# Altium PCB pcb.PcbDoc (part 2 of 2)
Units mm, origin at the board's own origin, x right, y up, seen from the top; angles counter-clockwise.
Board outline 285.25 x 94.86 mm, 2 copper layers (Component Side, Bottom Layer), stack 1.571 mm thick; 160 components, 104 nets, 876 pads, 83 vias.
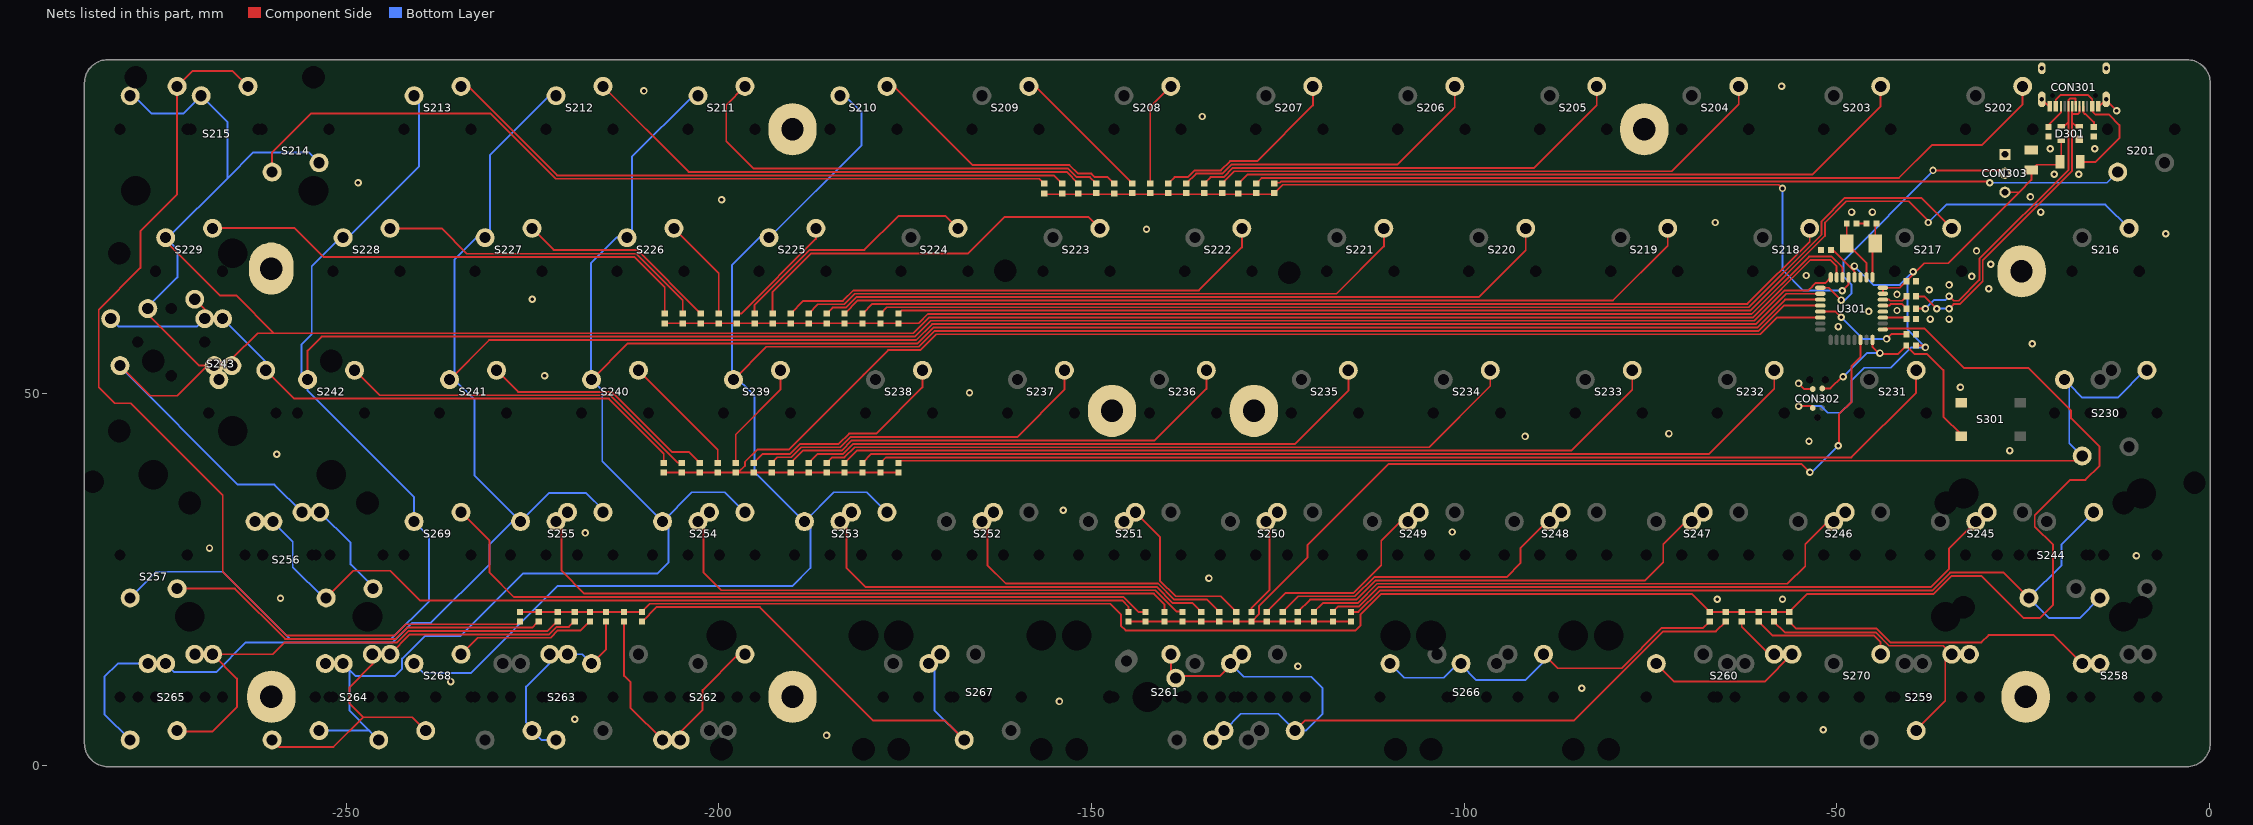
[diagram p2: the nets of this part, all layers, seen from the top]

## Via types
v1: diameter 1, hole 0.5, Component Side to Bottom Layer, tented both sides, 83 vias

## Nets (pads, with @x,y where several pads share a name; then routed paths per layer and width w, separated by ;. In a path a pad name is that pad's centre, name@x,y a point inside that pad or via, vN(x,y) a via of type N, cw(c..) or ccw(c..) an arc to the next point about the centre after c; other vN are vias at no path point) (continued)
col9: S210.2 S225.2 S239.2 S253.2 S268.2 U301.12 | length 299.7
  Component Side w0.254: S239.2@-198.037,51.815 -193.629,56.223 -173.151,56.223 -171.024,58.35 -60.473,58.35 -57.082,61.741 U301.12@-52.206,61.741
  Bottom Layer w0.254: S268.2@-240.9,13.715 -239.631,12.446 -233.299,12.446 -221.615,24.13 -190.119,24.13 -187.706,26.543 -187.706,31.959 S253.2@-188.512,32.765 -184.574,36.703 -180.137,36.703 S253.2@-177.45,34.015 ; S239.2@-198.247,52.675 -195.199,49.627 -195.199,39.37 S253.2@-188.553,32.724 ; S239.2@-198.247,52.929 -198.247,67.183 -194.565,70.865 S225.2@-193.275,70.865 -180.848,83.292 -180.848,87.663 S210.2@-183.1,89.915
col10: S211.2 S226.2 S240.2 S254.2 S264.2 U301.11 | length 327.1
  Component Side w0.254: S240.2@-217.087,51.815 -212.225,56.677 -173.339,56.677 -171.212,58.804 -60.661,58.804 -56.924,62.541 U301.11@-52.206,62.541
  Bottom Layer w0.254: S264.2@-253.65,4.715 -246.887,4.715 ; S264.2@-250.424,13.715 S264.2@-249.555,12.846 ; S264.2@-245.637,3.465 -246.887,4.715 ; S240.2@-217.087,51.815 -215.646,50.374 -215.646,40.849 S254.2@-207.562,32.765 ; S240.2@-216.437,51.815 -217.17,52.548 -217.17,67.437 -213.742,70.865 S226.2@-212.325,70.865 -211.675,70.865 -211.675,81.695 -203.455,89.915 S211.2@-202.8,89.915 ; S254.2@-196.5,34.015 -199.188,36.703 -203.624,36.703 S254.2@-207.562,32.765 ; S264.2@-249.555,12.846 -248.774,12.065 -243.459,12.065 -242.497,13.027 -242.497,14.376 -239.474,17.399 -234.689,17.399 -226.307,25.781 -208.28,25.781 -206.756,27.305 -206.756,31.959 S254.2@-207.562,32.765 ; S264.2@-249.555,12.846 -249.555,7.383 -246.887,4.715
col11: S212.2 S227.2 S241.2 S255.2 S265.2 U301.10 | length 345.8
  Component Side w0.254: S241.2@-236.137,51.815 -230.821,57.131 -173.527,57.131 -171.4,59.258 -60.849,59.258 -56.766,63.341 U301.10@-52.206,63.341
  Bottom Layer w0.254: S265.2@-278.999,3.465 -282.448,6.914 -282.448,11.938 -280.671,13.715 S265.2@-276.618,13.715 ; S265.2@-274.237,13.715 -273.095,12.573 -267.462,12.573 -263.473,16.562 -243.781,16.562 -241.166,19.177 -238.633,19.177 -230.759,27.051 -230.759,29.718 -227.712,32.765 S255.2@-226.612,32.765 ; S212.2@-221.2,89.915 S212.2@-221.85,89.915 -222.759,89.915 -230.725,81.949 -230.725,70.865 S227.2@-231.375,70.865 -232.538,70.865 -235.487,67.916 -235.487,51.815 -232.791,49.119 -232.791,38.944 S255.2@-226.612,32.765 ; S255.2@-215.55,34.015 -215.55,34.321 -217.805,36.576 -222.801,36.576 -226.287,33.09 S255.2@-226.612,32.765
col12: S213.2 S228.2 S242.2 S257.2 S269.2 U301.8 | length 341.9
  Component Side w0.254: S242.2@-255.187,51.815 -255.187,55.709 -253.311,57.585 -173.715,57.585 -171.588,59.712 -61.037,59.712 -56.954,63.795 -53.807,63.795 -53.233,64.369 -53.233,64.39 -52.853,64.77 -51.562,64.77 -50.806,65.526 U301.8@-50.806,65.541
  Bottom Layer w0.254: S257.2@-279,22.515 -275.48,26.035 -266.575,26.035 -257.556,17.016 -243.969,17.016 -238.887,22.098 -238.887,30.752 S269.2@-240.9,32.765 -240.9,36.049 -255.187,50.336 S242.2@-255.187,51.815 -256.032,52.66 -256.032,56.515 -254.635,57.912 -254.635,67.056 -250.826,70.865 S228.2@-250.425,70.865 -249.775,70.865 -240.25,80.39 S213.2@-240.25,89.915
col13: S214.2 S215.2 S229.2 S243.2 S256.2 U301.7 | length 381.5
  Component Side w0.254: S243.2@-280.361,53.695 -276.323,49.657 -272.669,49.657 S243.2@-268.631,53.695 ; S243.2@-276.63,61.345 -276.63,60.603 -269.722,53.695 S243.2@-268.631,53.695 ; S229.2@-274.237,70.865 -273.937,70.565 -273.937,70.102 -272.542,68.707 -272.542,68.688 -266.973,63.119 -264.795,63.119 -259.715,58.039 ; S243.2@-267.844,51.815 S243.2@-267.1,51.815 -266.45,51.815 S243.2@-266.98,52.345 ; S243.2@-267.73,53.695 S243.2@-268.631,53.695 ; S243.2@-265.349,53.695 -265.349,54.583 -261.893,58.039 -259.715,58.039 ; U301.7@-50.006,65.541 -50.006,67.017 -50.861,67.872 -53.519,67.872 -61.225,60.166 -171.777,60.166 -173.904,58.039 -259.715,58.039
  Bottom Layer w0.254: S243.2@-280.361,53.695 -280.361,53.539 -264.541,37.719 -259.634,37.719 S256.2@-255.93,34.015 ; S215.2@-279,89.915 -278.51,89.915 -276.098,87.503 -271.887,87.503 S215.2@-269.475,89.915 -265.936,86.376 -265.936,78.867 ; S243.2@-276.63,61.345 -276.63,61.571 -272.669,65.532 -272.669,69.297 S229.2@-274.237,70.865 ; S229.2@-273.937,70.865 -265.936,78.867 ; S243.2@-266.641,52.015 -266.484,52.038 -266.441,52.045 S243.2@-266.437,52.045 ; S243.2@-266.45,51.562 -266.703,51.562 S243.2@-266.45,51.815 ; S214.2@-253.65,80.915 -255.031,82.296 -262.507,82.296 -265.936,78.867 ; S256.2@-253.549,34.015 -249.428,29.894 -249.428,27.017 -246.405,23.994 S256.2@-246.405,23.765
D_N: CON301.A7 CON301.B7 D301.2 R310.2 | length 42.9
  Component Side w0.254: R310.2@-39.34,62.992 -38.227,62.992 v1(-36.576,61.341) v1@-36.449,61.214 ; v1(-34.925,61.341) -34.328,61.938 -33.466,61.938 -30.404,65 -30.404,67.818 -18.432,79.789 -18.432,86.36 ; CON301.A7@-18.411,88.5 -18.411,87.648 -18.432,87.627 -18.432,86.377 -17.841,85.786 D301.2@-17.469,85.786 ; -18.388,87.448 -17.626,87.448 -17.434,87.64 -17.434,88.477 CON301.B7@-17.411,88.5
  Bottom Layer w0.254: v1(-36.576,61.341) v1(-34.925,61.341)
D_P: CON301.A6 CON301.B6 D301.3 R309.2 | length 43
  Component Side w0.254: R309.2@-39.34,61.341 v1(-38.1,61.341) ; v1(-34.925,62.992) -34.328,62.395 -33.655,62.395 -30.861,65.189 -30.861,68.007 -18.89,79.979 -18.89,86.36 ; D301.3@-19.869,85.786 -19.497,85.786 -18.89,86.393 -18.89,87.627 -18.911,87.648 CON301.B6@-18.911,88.5 -18.888,88.5 -18.888,89.36 -18.696,89.552 -17.934,89.552 -17.934,88.693 -17.931,88.689 -17.931,88.5 CON301.A6@-17.911,88.5
  Bottom Layer w0.254: v1(-38.1,61.341) -36.957,62.484 -35.433,62.484 v1(-34.925,62.992)
D_PRE_N: R310.1 U301.30 | length 3.5
  Component Side w0.254: U301.30@-43.806,62.541 -42.979,62.541 -42.833,62.395 -41.237,62.395 R310.1@-40.64,62.992
D_PRE_P: R309.1 U301.29 | length 3.5
  Component Side w0.254: U301.29@-43.806,61.741 -42.979,61.741 -42.782,61.938 -41.237,61.938 R309.1@-40.64,61.341
GND: "pad.5 degree" C301.1 C307.1 C309.1 C310.1 C311.1 C312.1 CON301.A1B12 CON301.B1A12 CON301.S1 CON302.6 CON303.1 D301.1 pad.CHECK@-25.2,66.365 pad.CHECK@-147.25,47.615 pad.POKER@-190.119,9.271 pad.POKER@-260.05,9.271 pad.POKER@-260.05,66.715 pad.TADA R301.2 R304.2 R305.2 S301.1 U301.3 U301.28 | length 8.9
  Component Side w0.254: v1(-55.118,51.308) -54.356,50.546 CON302.6@-53.213,50.546 ; C312.1@-47.356,72.771 C311.1@-45.974,72.771 ; CON301.S1@-22.678,93.398 CON301.S1@-22.481,93.595 ; CON301.S1@-22.481,89.415 -21.566,88.5 CON301.B1A12@-21.411,88.5 ; CON301.A1B12@-14.911,88.5 -14.756,88.5 CON301.S1@-13.841,89.415 -13.841,89.279 v1(-12.446,87.884)
  other v1: -185.547,4.064 -51.816,4.826 -219.329,6.223 -154.305,8.636 -84.201,10.414 -235.966,11.303 -122.301,13.335 -66.04,22.352 -57.277,22.352 -258.826,22.479 -134.239,25.146 -9.779,28.194 -268.351,29.21 -217.932,31.242 -101.6,31.369 -153.797,34.29 -259.334,41.783 -26.797,42.291 -53.721,43.561 -91.821,44.196 -72.517,44.577 -166.37,50.038 -33.401,50.8 -223.393,52.324 -23.749,56.642 -49.784,58.928 -37.465,59.944 -34.925,59.944 -45.72,60.96 -41.91,61.087 -225.044,62.611 -41.91,63.246 -37.592,63.881 -29.591,64.008 -34.925,64.516 -31.877,65.659 -54.102,65.786 -29.337,67.31 -31.242,69.088 -5.842,71.374 -142.621,72.009 -66.294,72.898 -48.006,74.295 -45.212,74.295 -22.606,74.295 -199.644,75.946 -24.003,76.327 -248.412,78.232 -20.828,79.375 -17.526,79.375 -21.336,82.804 -15.367,82.804 -135.128,87.122 -210.058,90.551 -57.404,91.186
NetC301_2: C301.2 U301.27 | length 3.2
  Component Side w0.254: U301.27@-43.806,60.141 -40.852,60.141 C301.2@-40.655,59.944
NetC311_2: C311.2 U301.1 X301.1 | length 7.5
  Component Side w0.254: U301.1@-45.206,65.541 -45.206,69.734 X301.1@-44.836,70.104 -44.836,72.609 C311.2@-44.674,72.771
NetC312_2: C312.2 U301.2 X301.2 | length 8.3
  Component Side w0.254: C312.2@-48.656,72.771 -48.656,70.124 X301.2@-48.636,70.104 -46.006,67.474 U301.2@-46.006,65.541
NetCON301_A4B9: CON301.A4B9 CON301.B4A9 F301.2 | length 20.7
  Component Side w0.254: CON301.B4A9@-20.611,88.5 -20.611,89.371 -19.976,90.006 -16.254,90.006 -15.711,89.463 CON301.A4B9@-15.711,88.5 -15.711,87.813 -15.274,87.376 -13.462,87.376 -12.065,85.979 -12.065,84.201 -15.24,81.026 F301.2@-17.319,81.026
NetCON301_A5: CON301.A5 R305.1 | length 3.4
  Component Side w0.254: CON301.A5@-16.911,88.5 -16.911,87.663 -16.696,87.448 -16.582,87.448 -15.494,86.36 R305.1@-15.494,85.74
NetCON301_B5: CON301.B5 R304.1 | length 3.5
  Component Side w0.254: R304.1@-21.59,85.74 -21.59,85.979 -19.911,87.658 CON301.B5@-19.911,88.5
NetD201_1: D201.1 S201.1 | length 114
  Component Side w0.254: D201.1@-125.476,78.142 -125.386,78.232 -124.728,78.232 -124.545,78.415 -29.647,78.415 v1(-29.464,78.232)
  Bottom Layer w0.254: v1(-29.464,78.232) -13.733,78.232 S201.1@-12.3,79.665
NetD202_1: D202.1 S202.1 | length 109.7
  Component Side w0.254: D202.1@-127.889,78.142 -127.162,78.869 -41.656,78.869 -37.213,83.312 -30.48,83.312 -25.05,88.742 S202.1@-25.05,91.165
NetD203_1: D203.1 S203.1 | length 93.2
  Component Side w0.254: D203.1@-130.302,78.12 -129.099,79.323 -53.265,79.323 -44.1,88.488 S203.1@-44.1,91.165
NetD204_1: D204.1 S204.1 | length 76.1
  Component Side w0.254: D204.1@-132.461,78.142 -130.826,79.777 -72.115,79.777 -63.15,88.742 S204.1@-63.15,91.165
NetD205_1: D205.1 S205.1 | length 59.6
  Component Side w0.254: D205.1@-134.874,78.135 -134.015,78.994 -132.251,78.994 -131.014,80.231 -90.584,80.231 -82.2,88.615 S205.1@-82.2,91.165
NetD206_1: D206.1 S206.1 | length 43.1
  Component Side w0.254: D206.1@-137.287,78.135 -135.974,79.448 -132.439,79.448 -131.202,80.685 -108.926,80.685 -101.25,88.361 S206.1@-101.25,91.165
NetD207_1: D207.1 S207.1 | length 26.3
  Component Side w0.254: D207.1@-139.7,78.135 -138.841,78.994 -137.07,78.994 -136.162,79.902 -132.627,79.902 -131.39,81.139 -127.776,81.139 -120.3,88.615 S207.1@-120.3,91.165
NetD208_1: D208.1 S208.1 | length 14.2
  Component Side w0.254: D208.1@-142.113,78.135 -142.113,88.402 S208.1@-139.35,91.165
NetD209_1: D209.1 S209.1 | length 19.3
  Component Side w0.254: S209.1@-158.4,91.165 -157.556,91.165 D209.1@-144.526,78.135
NetD210_1: D210.1 S210.1 | length 35.9
  Component Side w0.254: S210.1@-177.45,91.165 -176.509,91.165 -165.935,80.591 -152.952,80.591 -151.809,79.448 -150.023,79.448 -149.569,78.994 -147.813,78.994 D210.1@-146.939,78.12
NetD211_1: D211.1 S211.1 | length 60.4
  Component Side w0.254: S211.1@-196.5,91.165 -199.009,88.656 -199.009,83.82 -195.326,80.137 -153.14,80.137 -151.997,78.994 -150.211,78.994 D211.1@-149.352,78.135
NetD212_1: D212.1 S212.1 | length 69.2
  Component Side w0.254: S212.1@-215.55,91.165 -204.068,79.683 -153.328,79.683 D212.1@-151.765,78.12
NetD213_1: D213.1 S213.1 | length 86.1
  Component Side w0.254: S213.1@-234.6,91.165 -233.652,91.165 -221.716,79.229 -155.033,79.229 D213.1@-153.924,78.12
NetD214_1: D214.1 S214.1 | length 112.3
  Component Side w0.254: S214.1@-259.95,79.665 -259.95,82.315 -254.762,87.503 -230.632,87.503 -221.904,78.775 -156.992,78.775 D214.1@-156.337,78.12
NetD215_1: D215.1 S215.1 | length 132.7
  Component Side w0.254: S215.1@-263.175,91.165 -265.228,93.218 -270.647,93.218 S215.1@-272.7,91.165 -272.7,76.677 -277.622,71.755 -277.622,66.802 -283.208,61.216 -283.208,50.798 -281.051,48.641 -278.892,48.641 -266.573,36.322 -266.573,26.035 -258.008,17.47 -243.546,17.47 -242.02,18.996 -227.13,18.996 D215.1@-226.957,19.169
NetD216_1: D216.1 S216.1 | length 176.1
  Component Side w0.254: D216.1@-175.895,60.674 -175.495,61.074 -61.601,61.074 -51.574,71.101 -51.574,72.879 -48.707,75.746 -40.313,75.746 -37.719,73.152 v1(-37.719,72.898)
  Bottom Layer w0.254: v1(-37.719,72.898) -35.306,75.311 -13.958,75.311 S216.1@-10.763,72.115
NetD217_1: D217.1 S217.1 | length 152.9
  Component Side w0.254: D217.1@-178.308,60.674 -177.454,61.528 -61.789,61.528 -52.028,71.289 -52.028,73.067 -48.895,76.2 -38.66,76.2 S217.1@-34.575,72.115
NetD218_1: D218.1 S218.1 | length 132.9
  Component Side w0.254: D218.1@-180.721,60.674 -179.413,61.982 -61.977,61.982 -53.625,70.334 S218.1@-53.625,72.115
NetD219_1: D219.1 S219.1 | length 116.6
  Component Side w0.254: D219.1@-183.134,60.674 -181.372,62.436 -80.022,62.436 -72.675,69.783 S219.1@-72.675,72.115
NetD220_1: D220.1 S220.1 | length 100.3
  Component Side w0.254: D220.1@-185.547,60.674 -184.753,61.468 -182.982,61.468 -181.56,62.89 -98.019,62.89 -91.725,69.184 S220.1@-91.725,72.115
NetD221_1: D221.1 S221.1 | length 83.3
  Component Side w0.254: D221.1@-187.96,60.674 -186.712,61.922 -183.17,61.922 -181.748,63.344 -117.123,63.344 -110.775,69.692 S221.1@-110.775,72.115
NetD222_1: D222.1 S222.1 | length 66.8
  Component Side w0.254: D222.1@-190.373,60.674 -188.671,62.376 -183.358,62.376 -181.936,63.798 -135.592,63.798 -129.825,69.565 S222.1@-129.825,72.115
NetD223_1: D223.1 S223.1 | length 51.7
  Component Side w0.254: D223.1@-192.786,60.674 -192.786,63.613 -187.638,68.761 -166.57,68.761 -161.671,73.66 -150.42,73.66 S223.1@-148.875,72.115
NetD224_1: D224.1 S224.1 | length 34.1
  Component Side w0.254: D224.1@-195.199,60.674 -195.199,61.842 -187.826,69.215 -180.467,69.215 -175.895,73.787 -169.597,73.787 S224.1@-167.925,72.115
NetD225_1: D225.1 S225.1 | length 16.2
  Component Side w0.254: D225.1@-197.612,60.674 -197.009,60.674 -186.975,70.708 S225.1@-186.975,72.115
NetD226_1: D226.1 S226.1 | length 13.9
  Component Side w0.254: S226.1@-206.025,72.115 -200.025,66.115 D226.1@-200.025,60.674
NetD227_1: D227.1 S227.1 | length 27.4
  Component Side w0.254: S227.1@-225.075,72.115 -222.175,69.215 -210.979,69.215 D227.1@-202.438,60.674
NetD228_1: D228.1 S228.1 | length 45.1
  Component Side w0.254: S228.1@-244.125,72.115 -237.215,72.115 -233.807,68.707 -211.113,68.707 -204.851,62.445 D228.1@-204.851,60.674
NetD229_1: D229.1 S229.1 | length 67.4
  Component Side w0.254: S229.1@-267.524,71.428 -266.816,72.136 -256.928,72.136 -253.045,68.253 -211.301,68.253 -207.264,64.216 D229.1@-207.264,60.674
NetD230_1: D230.1 S230.1 | length 183.1
  Component Side w0.254: D230.1@-175.895,40.655 -175.622,40.928 -17.699,40.928 S230.1@-17.062,41.565
  Bottom Layer w0.254: S230.1@-19.444,51.815 S230.1@-18.796,51.167 ; S230.1@-17.062,41.565 -17.062,41.573 -18.796,43.307 S230.1@-18.796,51.167 ; S230.1@-8.381,53.065 -8.657,53.065 -12.319,49.403 -17.032,49.403 S230.1@-18.796,51.167
NetD231_1: D231.1 S231.1 | length 145.9
  Component Side w0.254: D231.1@-178.308,40.65 -177.576,41.382 -48.026,41.382 -39.338,50.07 S231.1@-39.338,53.065
NetD232_1: D232.1 S232.1 | length 128.9
  Component Side w0.254: D232.1@-180.721,40.65 -179.535,41.836 -67.13,41.836 -58.388,50.578 S232.1@-58.388,53.065
NetD233_1: D233.1 S233.1 | length 112.4
  Component Side w0.254: D233.1@-183.134,40.65 -181.494,42.29 -85.599,42.29 -77.438,50.451 S233.1@-77.438,53.065
NetD234_1: D234.1 S234.1 | length 95.4
  Component Side w0.254: D234.1@-185.547,40.65 -184.82,41.377 -183.159,41.377 -181.792,42.744 -104.703,42.744 -96.488,50.959 S234.1@-96.488,53.065
NetD235_1: D235.1 S235.1 | length 79.2
  Component Side w0.254: D235.1@-187.96,40.65 -186.779,41.831 -183.347,41.831 -181.98,43.198 -122.664,43.198 -115.538,50.324 S235.1@-115.538,53.065
NetD236_1: D236.1 S236.1 | length 62.4
  Component Side w0.254: D236.1@-190.373,40.65 -188.738,42.285 -183.535,42.285 -182.168,43.652 -141.514,43.652 -134.588,50.578 S236.1@-134.588,53.065
NetD237_1: D237.1 S237.1 | length 45.9
  Component Side w0.254: D237.1@-192.913,40.65 -192.161,41.402 -190.263,41.402 -188.926,42.739 -183.723,42.739 -182.356,44.106 -159.983,44.106 -153.638,50.451 S237.1@-153.638,53.065
NetD238_1: D238.1 S238.1 | length 29.1
  Component Side w0.254: D238.1@-195.326,40.65 -194.12,41.856 -190.451,41.856 -189.114,43.193 -183.911,43.193 -182.527,44.577 -178.875,44.577 -172.688,50.765 S238.1@-172.688,53.065
NetD239_1: D239.1 S239.1 | length 14.9
  Component Side w0.254: D239.1@-197.739,40.65 -197.739,44.45 -191.738,50.451 S239.1@-191.738,53.065
NetD240_1: D240.1 S240.1 | length 16.8
  Component Side w0.254: S240.1@-210.788,53.065 -200.152,42.43 D240.1@-200.152,40.65
NetD241_1: D241.1 S241.1 | length 32.4
  Component Side w0.254: S241.1@-229.838,53.065 -226.937,50.165 -214.376,50.165 -206.321,42.11 -204.025,42.11 D241.1@-202.565,40.65
NetD242_1: D242.1 S242.1 | length 49
  Component Side w0.254: S242.1@-248.888,53.065 -245.533,49.711 -214.564,49.711 -205.508,40.655 D242.1@-204.978,40.655
NetD243_1: D243.1 S243.1 | length 85.3
  Component Side w0.254: S243.1@-270.33,62.595 -268.98,61.245 S243.1@-268.98,59.995 ; S243.1@-260.8,53.065 -256.992,49.257 -214.752,49.257 -207.391,41.896 D243.1@-207.391,40.65
  Bottom Layer w0.254: S243.1@-281.611,59.995 -280.544,58.928 -270.047,58.928 S243.1@-268.98,59.995 ; S243.1@-266.599,59.995 -260.8,54.196 S243.1@-260.8,53.065
NetD244_1: D244.1 S244.1 | length 121.4
  Component Side w0.254: D244.1@-115.189,20.65 -114.173,20.65 -111.312,23.511 -37.188,23.511 -34.791,25.908 -27.599,25.908 S244.1@-24.206,22.515
  Bottom Layer w0.254: S244.1@-15.525,34.015 -19.812,29.728 -19.812,26.909 S244.1@-24.206,22.515 -21.503,19.812 -17.384,19.812 S244.1@-14.681,22.515
NetD245_1: D245.1 S245.1 | length 92.9
  Component Side w0.254: D245.1@-117.602,20.65 -116.875,21.377 -114.088,21.377 -111.5,23.965 -37.376,23.965 -34.925,26.416 -34.925,29.19 S245.1@-31.35,32.765
NetD246_1: D246.1 S246.1 | length 76.5
  Component Side w0.254: D246.1@-120.142,20.65 -118.961,21.831 -114.276,21.831 -111.688,24.419 -56.607,24.419 -54.229,26.797 -54.229,29.718 -51.182,32.765 S246.1@-50.4,32.765
NetD247_1: D247.1 S247.1 | length 59.3
  Component Side w0.254: D247.1@-122.301,20.65 -120.666,22.285 -114.464,22.285 -111.876,24.873 -75.711,24.873 -73.279,27.305 -73.279,29.718 -70.232,32.765 S247.1@-69.45,32.765
NetD248_1: D248.1 S248.1 | length 42
  Component Side w0.254: D248.1@-124.333,20.65 -122.244,22.739 -114.652,22.739 -112.064,25.327 -94.307,25.327 -92.456,27.178 -92.456,29.21 -88.901,32.765 S248.1@-88.5,32.765
NetD249_1: D249.1 S249.1 | length 25.9
  Component Side w0.254: D249.1@-126.492,20.65 -123.949,23.193 -114.84,23.193 -111.125,26.908 -111.125,30.226 -108.586,32.765 S249.1@-107.55,32.765
NetD250_1: D250.1 S250.1 | length 14.8
  Component Side w0.254: D250.1@-128.524,20.65 -128.524,21.209 -126.111,23.622 -126.111,32.966 S250.1@-125.062,34.015
NetD251_1: D251.1 S251.1 | length 24.7
  Component Side w0.254: S251.1@-145.65,32.765 S251.1@-144.907,32.022 ; S251.1@-144.112,32.915 S251.1@-144.112,34.015 -140.831,30.734 -140.831,24.857 -138.713,22.739 -132.645,22.739 D251.1@-130.556,20.65
NetD252_1: D252.1 S252.1 | length 39.9
  Component Side w0.254: S252.1@-164.7,32.765 -163.957,32.022 -163.957,26.924 -161.49,24.457 -141.073,24.457 -138.901,22.285 -134.477,22.285 D252.1@-132.842,20.65
NetD253_1: D253.1 S253.1 | length 56.6
  Component Side w0.254: S253.1@-183.749,32.765 -182.88,31.896 -182.88,26.543 -180.34,24.003 -141.261,24.003 -139.089,21.831 -136.436,21.831 D253.1@-135.255,20.65
NetD254_1: D254.1 S254.1 | length 73.6
  Component Side w0.254: S254.1@-202.8,32.765 -202.057,32.022 -202.057,25.908 -199.698,23.549 -141.449,23.549 -138.601,20.701 -137.795,20.701 D254.1@-137.795,20.65
NetD255_1: D255.1 S255.1 | length 90.7
  Component Side w0.254: S255.1@-221.85,32.765 -221.107,32.022 -221.107,26.162 -218.04,23.095 -141.637,23.095 -140.208,21.666 D255.1@-140.208,20.65
NetD256_1: D256.1 S256.1 | length 125.3
  Component Side w0.254: S256.1@-252.705,22.515 -249.058,26.162 -244.094,26.162 -240.119,22.187 -145.892,22.187 -145.034,21.329 D256.1@-145.034,20.65
  Bottom Layer w0.254: S256.1@-259.849,32.765 -257.175,30.091 -257.175,26.67 -253.02,22.515 S256.1@-252.705,22.515
NetD257_1: D257.1 S257.1 | length 52
  Component Side w0.254: S257.1@-272.7,23.765 -264.945,23.765 -258.196,17.016 -243.358,17.016 -241.832,18.542 -225.044,18.542 D257.1@-224.417,19.169
NetD258_1: D258.1 S258.1 | length 42.5
  Component Side w0.254: D258.1@-56.388,19.35 -55.453,18.415 -44.649,18.415 -42.796,16.562 -30.596,16.562 -29.632,17.526 -20.873,17.526 S258.1@-17.062,13.715
NetD259_1: D259.1 S259.1 | length 38.4
  Component Side w0.254: D259.1@-58.42,19.35 -56.977,17.907 -44.784,17.907 -42.985,16.108 -35.718,16.108 S259.1@-34.575,14.965 -35.433,14.965 -35.433,8.756 -39.337,4.852 S259.1@-39.337,4.715
NetD260_1: D260.1 S260.1 | length 27.3
  Component Side w0.254: S260.1@-74.212,13.715 -71.8,11.303 -59.668,11.303 S260.1@-56.006,14.965 ; D260.1@-62.738,19.35 -62.738,18.654 -59.049,14.965 S260.1@-58.387,14.965
NetD261_1: D261.1 S261.1 | length 110.7
  Component Side w0.254: S261.1@-139.35,14.965 -139.35,12.415 S261.1@-138.689,11.755 -138.379,12.065 -132.725,12.065 S261.1@-129.825,14.965 ; S261.1@-122.673,4.715 -121.292,6.096 -85.217,6.096 -73.279,18.034 -66.213,18.034 D261.1@-64.897,19.35
  Bottom Layer w0.254: S261.1@-132.213,4.715 -129.943,6.985 -124.943,6.985 S261.1@-122.673,4.715 -121.269,4.715 -118.999,6.985 -118.999,10.414 -120.523,11.938 -129.577,11.938 S261.1@-131.354,13.715
NetD262_1: D262.1 S262.1 | length 33.6
  Component Side w0.254: D262.1@-212.725,19.35 -212.725,12.065 -211.844,11.184 -211.844,7.747 S262.1@-207.562,3.465 ; S262.1@-205.181,3.465 -205.181,4.496 -202.184,7.493 -202.184,10.16 -197.379,14.965 S262.1@-196.5,14.965
NetD263_1: D263.1 S263.1 | length 27.8
  Component Side w0.254: S263.1@-217.087,13.715 -215.138,15.664 -215.138,18.908
  Bottom Layer w0.254: S263.1@-221.849,3.465 -223.825,3.465 S263.1@-225.075,4.715 -225.075,4.984 -225.86,5.769 -225.86,10.614 -222.693,13.781 S263.1@-222.693,14.965 S263.1@-220.312,14.965 -218.337,14.965 S263.1@-217.087,13.715
NetD264_1: D264.1 S264.1 | length 60.1
  Component Side w0.254: S264.1@-259.949,3.465 -259.024,2.54 -251.714,2.54 -247.745,6.509 ; S264.1@-246.506,14.965 -246.506,13.59 -249.555,10.541 -249.555,8.319 -247.745,6.509 ; S264.1@-244.125,14.965 -241.456,17.634 -222.77,17.634 -221.781,18.623 -220.137,18.623 D264.1@-219.591,19.169 ; S264.1@-239.337,4.715 -241.131,6.509 -247.745,6.509
NetD265_1: D265.1 S265.1 | length 65.7
  Component Side w0.254: S265.1@-272.7,4.715 -272.557,4.572 -267.97,4.572 -264.668,7.874 -264.668,11.696 S265.1@-267.937,14.965 -259.863,14.965 -258.266,16.562 -243.17,16.562 -241.644,18.088 -222.958,18.088 D265.1@-221.877,19.169
NetD266_1: D266.1 S266.1 | length 51.5
  Component Side w0.254: S266.1@-110.399,14.183 S266.1@-109.931,13.715 ; S266.1@-89.343,14.965 -87.459,13.081 -78.874,13.081 -73.467,18.488 -67.918,18.488 D266.1@-67.056,19.35
  Bottom Layer w0.254: S266.1@-109.931,13.715 -108.027,11.811 -102.743,11.811 -100.839,13.715 S266.1@-100.406,13.715 -100.406,13.543 -98.347,11.484 -91.821,11.484 -89.343,13.962 S266.1@-89.343,14.965
NetD267_1: D267.1 S267.1 | length 63.6
  Component Side w0.254: D267.1@-210.312,19.35 -208.383,21.279 -194.507,21.279 -179.324,6.096 -169.712,6.096 S267.1@-167.081,3.465
  Bottom Layer w0.254: S267.1@-171.843,13.715 -171.069,12.941 -171.069,7.453 S267.1@-167.081,3.465
NetD268_1: D268.1 S268.1 | length 18.8
  Component Side w0.254: S268.1@-234.6,14.965 -232.385,17.18 -222.582,17.18 -221.593,18.169 -218.559,18.169 D268.1@-217.559,19.169
NetD269_1: D269.1 S269.1 | length 99.9
  Component Side w0.254: S269.1@-234.6,34.015 -230.759,30.174 -230.759,25.908 -227.492,22.641 -145.704,22.641 -143.713,20.65 D269.1@-142.748,20.65
NetD270_1: D270.1 S270.1 | length 19.1
  Component Side w0.254: D270.1@-60.452,19.35 -58.555,17.453 -44.972,17.453 -44.1,16.581 S270.1@-44.1,14.965
NetR301_1: R301.1 U301.13 | length 13.3
  Component Side w0.254: U301.13@-52.206,60.941 -50.146,60.941 v1(-49.403,60.198) ; v1(-43.307,57.277) -42.672,57.912 R301.1@-40.655,57.912
  Bottom Layer w0.254: v1(-49.403,60.198) -46.482,57.277 v1(-43.307,57.277)
PB0: D230.2 D231.2 D232.2 D233.2 D234.2 D235.2 D236.2 D237.2 D238.2 D239.2 D240.2 D241.2 D242.2 D243.2 U301.14 | length 185.4
  Component Side w0.254: D243.2@-207.391,39.35 -207.386,39.355 D242.2@-204.978,39.355 -197.739,39.355 -197.734,39.355 D239.2@-197.734,39.529 ; D230.2@-175.895,39.355 -185.547,39.355 -190.373,39.355 -197.373,39.355 -196.496,40.232 -196.496,40.767 -194.845,42.418 -190.627,42.418 -180.584,52.461 -180.584,52.476 -177.292,55.769 -172.963,55.769 -170.836,57.896 -60.285,57.896 -58.04,60.141 U301.14@-52.206,60.141
PC2: D201.2 D202.2 D203.2 D204.2 D205.2 D206.2 D207.2 D208.2 D209.2 D210.2 D211.2 D212.2 D213.2 D214.2 U301.5 | length 121.9
  Component Side w0.254: D214.2@-156.21,76.693 -149.352,76.693 -125.625,76.693 D201.2@-125.476,76.842 -124.357,77.961 -57.768,77.961 v1(-57.277,77.47) ; v1(-49.276,63.754) -48.406,64.624 U301.5@-48.406,65.541
  Bottom Layer w0.254: v1(-57.277,77.47) -57.277,66.548 -54.483,63.754 v1(-49.276,63.754)
PC5: D215.2 D257.2 D258.2 D259.2 D260.2 D261.2 D262.2 D263.2 D264.2 D265.2 D266.2 D267.2 D268.2 D270.2 U301.25 | length 280.8
  Component Side w0.254: D215.2@-226.695,20.65 D257.2@-224.155,20.65 D265.2@-221.615,20.65 D264.2@-219.329,20.65 D268.2@-217.297,20.65 D263.2@-215.138,20.65 D262.2@-212.725,20.65 D267.2@-210.312,20.65 ; D267.2@-210.312,20.701 -209.28,21.733 -147.463,21.733 -146.05,20.32 -146.05,18.796 -145.415,18.161 -114.554,18.161 -113.919,18.796 -113.919,20.262 -111.124,23.057 -69.463,23.057 D266.2@-67.056,20.65 D261.2@-64.897,20.65 D260.2@-62.738,20.65 D270.2@-60.452,20.65 D259.2@-58.42,20.65 D258.2@-56.388,20.65 -53.981,23.057 -37,23.057 -34.603,25.454 -30.534,25.454 -24.892,19.812 -22.733,19.812 -20.955,21.59 -20.955,29.637 -23.422,32.104 -23.422,33.624 -18.692,38.354 -16.637,38.354 -14.732,40.259 -14.732,42.799 -18.542,46.609 -18.542,47.625 -24.311,53.394 -32.954,53.394 -38.249,58.689 -43.658,58.689 U301.25@-43.806,58.541
PC7: D244.2 D245.2 D246.2 D247.2 D248.2 D249.2 D250.2 D251.2 D252.2 D253.2 D254.2 D255.2 D256.2 D269.2 U301.22 | length 135.9
  Component Side w0.254: D256.2@-145.034,19.35 D269.2@-142.748,19.35 D255.2@-140.208,19.35 D254.2@-137.795,19.35 D253.2@-135.255,19.35 D252.2@-132.842,19.35 D251.2@-130.556,19.35 D250.2@-128.524,19.35 ; D244.2@-115.189,19.35 D245.2@-117.602,19.35 D246.2@-120.142,19.35 D247.2@-122.301,19.35 D248.2@-124.333,19.35 D249.2@-126.492,19.35 D250.2@-128.524,19.35 ; v1(-53.594,39.37) -54.698,40.474 -110.148,40.474 -121.031,29.591 -121.031,27.94 -127.508,21.463 -127.508,20.366 D250.2@-128.524,19.35 ; v1(-49.784,42.926) -49.711,42.999 -49.711,47.163 -48.006,48.868 -48.006,53.664 -46.806,54.864 U301.22@-46.806,56.76
  Bottom Layer w0.254: v1(-53.594,39.37) -53.34,39.37 v1(-49.784,42.926)
PD0: D216.2 D217.2 D218.2 D219.2 D220.2 D221.2 D222.2 D223.2 D224.2 D225.2 D226.2 D227.2 D228.2 D229.2 U301.6 | length 163.7
  Component Side w0.254: D229.2@-207.264,59.374 D228.2@-204.851,59.374 D227.2@-202.438,59.374 D226.2@-200.025,59.374 D225.2@-197.612,59.374 D224.2@-195.199,59.374 D223.2@-192.786,59.374 D222.2@-190.373,59.374 D221.2@-187.96,59.374 D220.2@-185.547,59.374 D219.2@-183.134,59.374 D218.2@-180.721,59.374 D217.2@-178.308,59.374 D216.2@-175.895,59.374 -173.211,59.374 -171.965,60.62 -61.413,60.62 -53.707,68.326 -50.673,68.326 -49.341,66.994 -49.341,66.967 -49.206,66.832 U301.6@-49.206,65.541
PD3: CON303.2 U301.9 | length 37
  Component Side w0.254: U301.9@-52.206,64.141 -51.06,64.141 v1(-49.403,62.484) ; v1(-37.084,79.883) -27.813,79.883 CON303.2@-27.432,79.502
  Bottom Layer w0.254: v1(-49.403,62.484) -48.895,62.484 -48.006,63.373 -48.006,64.516 -49.087,65.597 -49.087,67.78 v1@-36.984,79.883
RST: CON302.5 R308.2 S301.2 U301.24 | length 32.1
  Component Side w0.254: CON302.5@-51.943,50.626 -50.847,50.626 -49.276,52.197 v1(-49.149,52.197) ; U301.24@-45.206,56.76 -45.206,56.213 -44.238,55.245 -41.813,55.245 R308.2@-40.67,56.388 -39.527,55.245 -37.846,55.245 -35.687,53.086 -35.687,46.863 -33.312,44.488 S301.2@-33.312,44.232 S301.2@-33.564,44.232
  Bottom Layer w0.254: v1(-49.149,52.197) -45.973,55.373 v1(-44.196,55.373)
VCC: C307.2 C309.2 C310.2 CON302.2 CON303.3 D301.4 F301.1 R308.1 U301.4 U301.31 U301.32 | length 88.2
  Component Side w0.254: v1(-55.118,48.26) -53.467,48.26 CON302.2@-53.213,48.006 ; C310.2@-50.546,69.215 -47.606,66.275 U301.4@-47.606,65.541 ; U301.31@-43.806,63.341 U301.32@-43.806,64.141 -41.538,64.141 C309.2@-40.655,65.024 -38.242,67.437 -35.052,67.437 -25.527,76.962 ; R308.1@-39.37,56.388 -38.354,56.388 v1(-38.1,56.134) ; CON303.3@-27.432,76.962 -25.527,76.962 ; D301.4@-19.869,83.886 -19.869,81.176 F301.1@-20.019,81.026 -20.4,80.645 -23.161,80.645 C307.2@-23.876,79.93 -23.876,78.613 -25.527,76.962
  Bottom Layer w0.254: v1(-55.118,48.26) -52.07,48.26 -51.181,47.371 -49.503,47.371 -48.006,48.868 -48.006,51.705 -46.299,53.412 -42.734,53.412 -40.012,56.134 v1(-38.1,56.134) -40.513,58.547 -40.513,65.532 ; v1(-47.625,67.056) -45.085,64.516 -41.529,64.516 -40.513,65.532 ; v1(-39.751,66.294) -40.513,65.532
pads on no net: CON301. CON301.A8 CON301.B8 CON302.0 S201. S202. S203. S204. S205. S206. S207. S208. S209. S210. S211. S212. S213. S214. S215. S216. S217. S218. S219. S220. S221. S222. S223. S224. S225. S226. S227. S228. S229. S230. S231. S232. S233. S234. S235. S236. S237. S238. S239. S240. S241. S242. S243. S244. S245. S246. S247. S248. S249. S250. S251. S252. S253. S254. S255. S256. S257. S258. S259. S260. S261. S262. S263. S264. S265. S266. S267. S268. S269. S270. S301.
copper on no net: | length 0.3
  Component Side w0.254: -269.475,89.915 -269.175,89.915

## Polygon pours and split planes (outlines as drawn)
GND on Bottom Layer "Component Side-No Net" (solid, pour order 0): -0.635,93.995 -0.635,0.65 -283.972,0.65 -283.972,93.995
GND on Component Side "Component Side-No Net" (solid, pour order 2): -0.635,93.995 -0.635,0.65 -283.972,0.65 -283.972,93.995

## Other copper
Component Side:
  pour cut-out: -284.988,89.535 -279.908,94.615 -284.988,94.615
  pour cut-out: -5.08,94.615 0,89.535 0,94.615
  pour cut-out: -279.908,0 -284.988,5.08 -284.988,0
  pour cut-out: 0,5.08 -5.08,0 0,0
Bottom Layer:
  pour cut-out: -279.908,0 -284.988,5.08 -284.988,0
  pour cut-out: -284.988,89.535 -279.908,94.615 -284.988,94.615
  pour cut-out: -5.08,94.615 0,89.535 0,94.615
  pour cut-out: 0,5.08 -5.08,0 0,0

## Silkscreen, mask and mechanical layers (free items; w line width, h text height)
Top Overlay:
  drawing of 8 lines, arcs and shapes, not listed
  text "GND" at -33.909,81.407 h1.52
  text "PD3" at -33.909,78.74 h1.52
  text "VCC" at -33.909,76.073 h1.52
Top Solder:
  drawing of 39 lines, arcs and shapes, not listed
  text "Steezy60" at -255.27,61.595 h7
  text "Proto B1" at -254.762,58.928 h1.52
outline:
  lines w0.203: -195.49,94.615 -195.484,94.608 ; -119.294,94.604 -119.29,94.608
  lines w0.254: -282,0.01 cw(c-282,3.01) -285,3.01 -285,91.615 cw(c-282,91.615) -282,94.615 -195.49,94.615 ; -282,0.015 -3,0.015 ; -198.628,94.615 -119.294,94.615 ; -124.46,94.615 -3,94.615 cw(c-3,91.615) 0,91.615 0,3.01 cw(c-3,3.01) -3,0.01

## Text inside footprints (layer, text, board x,y; h text height)
CON301: Mechanical 15 "connector edge" at -15.211,95.75 h1 r180
S261: Mechanical 16 "7U" at -208.331,7.365 h1.52 r270; Mechanical 16 "6.25U" at -188.764,5.615 h1.52 r270; Mechanical 16 "6.25U" at -124.574,4.94 h1.52; Mechanical 16 "6U" at -131.824,11.515 h1.52; Mechanical 16 "7U" at -141.564,3.89 h1.52